# Allegro board 8880F5-0827_txbegin.brd (continued)
## Routing (per net, layer and track width the routed paths; a pad name or vN(x,y) marks a point on that pad's centre or on a via; arc(x,y) is an arc through that point) (continued)
S4_4TX_100DCH007-: length 165.5
  TOP w0.086: SITE4.143 317.68,189.23 317.6,189.31 312.94,189.31 312.3,189.95 306.27,189.95 v1(305.81,189.49)
  L28_SIGNAL w0.071: v1(422.68,144.08) 422.27,144.08 422.2,144.01 422.2,142.94 421.43,142.17 420.49,142.17 419.96,142.7 419.96,154.1 418.01,156.05 379.44,156.05 373.99,161.5 369.48,161.5 356.89,174.09 330.25,174.09 326.47,177.87 326.47,187.36 322.97,190.86 309.62,190.86 308.73,189.97 305.89,189.97 305.81,189.9 v1(305.81,189.49)
S4_AUX_100DCH002+:
  vias: v1(299.22,132.08)
S4_AUX_100DCH002-:
  vias: v1(296.68,132.08)
S4_AUXCH+: length 3.6
  TOP w0.203: SITE4.21 330.23,176.2 v2(330.6,176.57)
S4_AUXCH-: length 3.6
  TOP w0.203: v2(329.46,176.57) 329.83,176.2 SITE4.20
S4_AVDD11_RX: length 8.4
  TOP w0.231: SITE4.31 334.23,168.29 334.67,167.85
  TOP w0.508: v1(336.77,165.75) 334.67,167.85
  vias: v1(336.77,163.71) v1(518.37,278.76) v1(518.37,276.86)
S4_AVDD11_XTAL: length 8.8
  TOP w0.231: SITE4.105 333.03,200.95 332.87,201.11 332.87,201.45
  TOP w0.381: 332.87,201.45 332.87,203.59 333.72,204.45 v1(333.72,204.54)
  vias: v1(333.72,206.58) v1(511.6,262.25) v1(511.6,260.35)
S4_AVDD18_RX: length 7.7
  TOP w0.231: SITE4.25 331.83,170.56 331.28,170.01
  TOP w0.508: 331.28,170.01 331.28,168.9 331.06,168.68 v1(331.06,165.75)
  vias: v1(331.06,163.71) v1(528.11,278.76) v1(528.11,276.86)
S4_DCH041: length 2.2
  TOP w0.231: v1(317.23,183.03) 317.43,182.83 SITE4.159
S4_DCH042: length 3.7
  TOP w0.231: SITE4.160 316.43,182.43 v1(315.83,183.03)
S4_DCH043: length 5.3
  TOP w0.231: v1(314.43,183.03) 315.44,182.03 SITE4.161
S4_DCH044: length 2.2
  TOP w0.231: SITE4.163 317.43,181.23 v1(317.23,181.03)
S4_DCH045: length 5.4
  TOP w0.231: SITE4.164 323.35,180.83 v1(324.35,179.83)
S4_DCH046: length 3.9
  TOP w0.231: SITE4.165 322.35,180.43 v1(322.95,179.83)
S4_DCH047: length 2.3
  TOP w0.231: SITE4.166 321.36,180.03 v1(321.56,179.83)
S4_DCH048:
  vias: v1(309.05,216.97)
S4_DCH049:
  vias: v1(309.05,211.67)
S4_DPS_F_001:
  vias: v1(122.19,249.66) v1(122.19,247.75) v1(297.68,130.81) v1(301.73,167.84)
S4_DPS_F_002: length 10.1
  TOP w0.231: SITE4.3 323.03,170.86 321.72,169.55 320.65,169.55
  TOP w0.508: 320.65,169.55 317.98,166.88 v1(317.98,165.75)
  vias: v1(316.32,162.9) v1(317.98,163.71) v1(511.6,278.76) v1(511.6,276.86)
S4_DPS_F_003: length 63.1
  TOP w0.231: SITE4.145 313.08,188.43 312.83,188.18 ; 345.2,182.93 344.9,183.23 SITE4.63 ; SITE4.107 332.23,200.11 331.69,200.65 331.69,201.16 ; 329.28,168.85 328.63,169.5 SITE4.17 ; 339.73,169.66 338.57,169.66 336.63,171.59 SITE4.37 ; SITE4.71 346.94,186.43 347.84,185.53 ; 314.63,181.63 SITE4.162
  TOP w0.381: 331.69,201.16 331.69,204.28 v1(331.94,204.54)
  TOP w0.508: 312.83,188.18 312.58,187.93 v1(311.44,187.93) ; v1(311.44,183.41) 312.59,183.41 314.37,181.63 314.63,181.63 ; v1(329.28,165.75) 329.28,168.85 ; 347.84,185.53 349.45,183.91 v1(351.22,183.91) ; v1(342.36,165.75) 342.36,167.02 339.73,169.66 ; 345.2,182.93 345.45,182.68 346.8,182.68 348.11,181.37 v1(351.22,181.37)
  vias: v1(309.4,187.93) v1(309.4,183.41) v1(329.28,163.71) v1(331.54,192.61) v1(331.94,206.58) v1(342.36,163.71) v1(353.27,183.91) v1(353.27,181.37) v1(464.57,192.28) v1(501.86,278.76) v1(501.86,276.86)
S4_DPS_F_006: length 9.6
  TOP w0.231: 348.55,186.19 347.92,186.83 SITE4.72
  TOP w0.508: v1(351.22,185.18) 349.56,185.18 348.55,186.19
  vias: v1(339,186.67) v1(353.27,185.18) v1(478.58,262.25) v1(478.58,260.35)
S4_DPS_F_007: length 19
  TOP w0.231: SITE4.78 344.15,189.23 344.37,189.01 ; v1(339.65,204.54) 339.65,204.13 336.23,200.71 SITE4.97
  TOP w0.508: v1(351.22,189.5) 350.8,189.5 350.31,189.01 344.37,189.01
  vias: v1(339.65,206.58) v1(353.27,189.5) v1(528.11,262.25) v1(528.11,260.35)
S4_DPS_F_009: length 8.8
  TOP w0.231: 332.26,201.12 332.26,200.9 332.63,200.53 SITE4.106
  TOP w0.381: 332.26,201.12 332.26,203.82 332.83,204.39 v1(332.83,204.54)
  vias: v1(332.83,206.58) v1(333.61,207.66) v1(495.09,262.25) v1(495.09,260.35)
S4_DPS_F_010: length 8.6
  TOP w0.231: 331.05,201.13 331.05,200.57 330.63,200.15 SITE4.111
  TOP w0.381: 331.05,201.13 v1(331.05,204.54)
  vias: v1(330.34,193.59) v1(331.05,206.58) v1(485.35,262.25) v1(485.35,260.35)
S4_DPS_F_011: length 17.6
  TOP w0.231: SITE4.139 314.87,190.83 312.01,193.69 v1(311.44,193.69) ; 327.64,198.01 327.43,197.79 SITE4.119
  TOP w0.508: v1(327.57,204.54) 327.64,204.47 327.64,198.01
  vias: v1(309.4,193.69) v1(327.57,206.58) v1(518.37,262.25) v1(518.37,260.35)
S4_DPS_F_012: length 8
  TOP w0.231: 312.2,188.83 SITE4.144
  TOP w0.508: v1(311.44,189.2) 311.81,188.83 312.2,188.83
  vias: v1(309.4,189.2) v1(468.84,262.25) v1(468.84,260.35)
S4_DPS_F_013:
  vias: v1(117.33,249.71) v1(117.33,247.8) v1(452.62,188.98) v1(457.25,190.45) v1(474.87,173.79) v1(474.89,161.55) v1(474.99,175.15) v1(478.43,173.74) v1(478.43,161.55) v1(478.53,175.15) v1(480.97,161.55) v1(481.07,175.15) v1(482.1,197.87) v1(483.51,161.55) v1(483.61,175.15) v1(489.86,169.47) v1(490.1,183.24)
S4_ISP00+: length 163.7
  TOP w0.086: SITE4.73 343.98,187.23 344.06,187.31 349.31,187.31 350.29,186.33 353.35,186.33 v1(353.81,185.88)
  L30_SIGNAL w0.071: v1(307.81,134.11) 307.81,135.47 307.88,135.54 312.56,135.54 313.46,136.44 313.46,137.88 312.55,138.79 297.11,138.79 293.94,141.95 293.94,193.09 297.8,196.95 305.85,196.95 307.89,198.98 325.62,198.98 327.67,196.93 339.21,196.93 349.79,186.35 353.73,186.35 353.81,186.28 v1(353.81,185.88)
  BOTTOM w0.119: v1(307.81,134.11) UNK4K43.7
S4_ISP00-: length 163.7
  TOP w0.086: SITE4.74 343.98,187.63 344.06,187.55 349.41,187.55 350.39,186.57 353.35,186.57 v1(353.81,187.02)
  L30_SIGNAL w0.071: v1(307.81,137.16) 307.81,135.81 307.88,135.74 312.48,135.74 313.26,136.52 313.26,137.8 312.47,138.59 297.03,138.59 293.74,141.87 293.74,193.17 297.72,197.14 305.76,197.14 307.8,199.18 325.7,199.18 327.75,197.13 339.29,197.13 349.87,186.55 353.73,186.55 353.81,186.62 v1(353.81,187.02)
  BOTTOM w0.119: v1(307.81,137.16) UNK4K43.2
S4_ISP14+: length 147
  TOP w0.086: v1(331.93,209.9) 331.48,209.45 331.48,207.92 330.15,206.59 330.15,197.86 330.23,197.78 SITE4.112
  L28_SIGNAL w0.071: v1(312.21,131.64) 312.21,135.43 312.07,135.56 298.39,135.56 293.47,140.48 293.47,196.62 303.51,206.65 303.51,212.34 304.92,213.75 329.77,213.75 331.46,212.06 331.46,209.97 331.53,209.9 v1(331.93,209.9)
S4_ISP14-: length 146
  TOP w0.086: SITE4.113 329.83,197.78 329.91,197.86 329.91,206.69 331.24,208.02 331.24,209.45 v1(330.79,209.9)
  L28_SIGNAL w0.071: v1(330.79,209.9) 331.19,209.9 331.26,209.97 331.26,211.98 329.69,213.55 305,213.55 303.71,212.26 303.71,206.57 293.67,196.53 293.67,140.56 298.47,135.76 312.08,135.76 312.21,135.89 v1(312.21,139.64)
S4_ISP_1LOCK:
  vias: v1(309.91,185.39)
S4_M_DPS_F_001: length 45.2
  TOP w0.231: SITE4.104 333.43,203.21 ; 346.49,183.63 SITE4.64 ; SITE4.39 337.43,171.49 338.54,170.37 340.57,170.37 ; SITE4.147 313.7,187.63 313.24,187.18 ; 330.63,170.54 SITE4.22
  TOP w0.381: 333.43,203.21 334.61,204.39 v1(334.61,204.54)
  TOP w0.508: 313.24,187.18 312.72,186.66 v1(311.44,186.66) ; 340.57,170.37 343.63,167.31 v1(343.63,165.75) ; v1(330.17,165.75) 330.17,168.96 330.38,169.17 330.38,170.28 330.63,170.54 ; v1(351.22,182.64) 348.48,182.64 347.49,183.63 346.49,183.63
  vias: v1(309.4,186.66) v1(330.17,163.71) v1(334.61,206.58) v1(343.63,163.71) v1(353.27,182.64) v1(518.37,295.27) v1(518.37,293.37)
S4_PS9G_DCH001: length 3.7
  TOP w0.231: v1(329.63,169.63) 329.03,170.23 SITE4.18
S4_PS9G_DCH002: length 2.2
  TOP w0.231: v1(329.63,171.03) 329.43,171.23 SITE4.19
S4_PS9G_DCH003: length 2.2
  TOP w0.231: SITE4.24 331.43,171.23 v1(331.23,171.03)
S4_PS9G_DCH004: length 2.2
  TOP w0.231: v1(337.63,175.23) 337.83,175.03 SITE4.40
S4_PS9G_DCH005: length 2.2
  TOP w0.231: v1(344.43,175.83) 344.23,176.03 SITE4.45
S4_PS9G_DCH006: length 3.7
  TOP w0.231: v1(345.83,175.83) 345.23,176.43 SITE4.46
S4_PS9G_DCH007: length 5.3
  TOP w0.231: v1(347.22,175.83) 346.22,176.83 SITE4.47
S4_PS9G_DCH009: length 2.2
  TOP w0.231: v1(344.43,177.43) 344.23,177.63 SITE4.49
S4_PS9G_DCH010: length 3.7
  TOP w0.231: SITE4.50 345.23,178.03 v1(345.83,177.43)
S4_PS9G_DCH011: length 5.3
  TOP w0.231: SITE4.51 346.22,178.43 v1(347.22,177.43)
S4_PS9G_DCH014: length 3.7
  TOP w0.231: v1(345.83,179.03) 345.23,179.63 SITE4.54
S4_PS9G_DCH015: length 5.3
  TOP w0.231: v1(347.22,179.03) 346.22,180.03 SITE4.55
S4_PS9G_DCH022: length 5.3
  TOP w0.231: v1(347.22,185.03) 347.05,185.03 346.05,184.03 SITE4.65
S4_PS9G_DCH023: length 2.5
  TOP w0.231: SITE4.66 344.03,184.43 344.43,184.83 v1(344.43,185.03)
S4_PS9G_DCH027: length 3.9
  TOP w0.231: SITE4.70 344.83,186.03 v1(345.83,185.03)
S4_PS9G_DCH028: length 2.3
  TOP w0.231: SITE4.77 340.6,188.83 v1(340.23,188.46)
S4_PS9G_DCH029: length 2.2
  TOP w0.119: SITE4.118 v1(327.83,193.92)
S4_PS9G_DCH030: length 9.2
  TOP w0.231: SITE4.148 317.62,187.23 317.3,186.91 314.16,186.91 312.63,185.39 v1(310.91,185.39)
S4_PS9G_DCH035: length 5.3
  TOP w0.231: SITE4.153 315.44,185.23 v1(314.43,186.23)
S4_PS9G_DCH036: length 2.2
  TOP w0.231: v1(321.43,185.03) 321.23,184.83 SITE4.154
S4_PS9G_DCH037: length 2.2
  TOP w0.231: SITE4.155 317.43,184.43 v1(317.23,184.63)
S4_PS9G_DCH038: length 3.7
  TOP w0.231: v1(315.83,184.63) 316.43,184.03 SITE4.156
S4_PS9G_DCH039: length 5.3
  TOP w0.231: v1(314.43,184.63) 315.44,183.63 SITE4.157
S4_PS9G_DCH040: length 2.2
  TOP w0.231: v1(321.43,183.43) 321.23,183.23 SITE4.158
S4_RLY_001:
  vias: v1(375.22,163.39) v1(415.1,163.64)
S4_RLY_003:
  vias: v1(388.43,163.64) v1(401.89,163.64)
S4_RLY_005:
  vias: v1(375.22,180.15) v1(388.43,180.15)
S4_RLY_007:
  vias: v1(415.61,188.92)
S4_RLY_008:
  vias: v1(375.73,202.38) v1(401.89,180.15)
S4_RLY_016:
  vias: v1(376.23,209.11) v1(392.24,202.38)
S4_RLY_018:
  vias: v1(312.25,216.97)
S4_RLY_021:
  vias: v1(388.43,146.88) v1(402.14,146.88)
S4_RLY_022:
  vias: v1(384.36,131.89) v1(397.57,131.89)
S4_RLY_023:
  vias: v1(410.78,131.89)
S4_RLY_025:
  vias: v1(304.82,146.05) v1(318.32,131.64)
S4_RLY_026:
  vias: v1(346.27,138.37)
S4_RLY_030:
  vias: v1(415.6,146.88)
S4_RLY_043:
  vias: v1(304.61,131.64)
S4_SCAN_DCH008: length 2.2
  TOP w0.231: v1(340.23,177.03) 340.43,177.23 SITE4.48
S4_SCAN_DCH012: length 2.2
  TOP w0.231: v1(340.23,178.63) 340.43,178.83 SITE4.52
S4_SCAN_DCH013: length 2.2
  TOP w0.231: SITE4.53 344.23,179.23 v1(344.43,179.03)
S4_SCAN_DCH016: length 2.2
  TOP w0.231: SITE4.56 340.43,180.43 v1(340.23,180.23)
S4_SCAN_DCH017: length 2.2
  TOP w0.231: v1(344.43,180.63) 344.23,180.83 SITE4.57
S4_SCAN_DCH018: length 3.7
  TOP w0.231: SITE4.58 345.23,181.23 v1(345.83,180.63)
S4_SCAN_DCH019: length 5.3
  TOP w0.231: SITE4.59 346.22,181.63 v1(347.22,180.63)
S4_SCAN_DCH020: length 2.2
  TOP w0.231: v1(340.23,181.83) 340.43,182.03 SITE4.60
S4_SCAN_DCH021: length 2.2
  TOP w0.231: SITE4.61 344.23,182.43 v1(344.43,182.23)
S4_SCAN_DCH024: length 2.2
  TOP w0.231: v1(340.23,184.63) 340.43,184.83 SITE4.67
S4_SCAN_DCH025: length 3.7
  TOP w0.231: v1(338.83,184.63) 339.43,185.23 SITE4.68
S4_SCAN_DCH026: length 5.3
  TOP w0.231: v1(337.44,184.63) 338.44,185.63 SITE4.69
S4_SCAN_DCH031: length 3.7
  TOP w0.231: v1(322.83,187.43) 322.23,186.83 SITE4.149
S4_SCAN_DCH032: length 5.3
  TOP w0.231: SITE4.150 323.22,186.43 v1(324.22,187.43)
S4_SCAN_DCH033: length 2.2
  TOP w0.231: SITE4.151 317.43,186.03 v1(317.23,186.23)
S4_SCAN_DCH034: length 3.7
  TOP w0.231: v1(315.83,186.23) 316.43,185.63 SITE4.152
S4_SPI_1_SCK:
  vias: v1(480.07,175.15)
S4_SPI_1_SDO:
  vias: v1(455.94,166.12)
S4_SPI_2_CSN:
  vias: v1(475.87,173.79)
S4_SPI_2_SCK:
  vias: v1(479.97,161.55)
S4_SPI_2_SDO:
  vias: v1(451.87,166.12)
S4_SPI_11_SDO:
  vias: v1(456.94,166.12) v1(482.61,175.15)
S4_SPI_22_SDI:
  vias: v1(477.43,173.74)
S4_SPI_22_SDO:
  vias: v1(452.87,166.12) v1(482.51,161.55)
S4_SPI_CSN: length 2.2
  TOP w0.231: v1(339.23,171.03) 339.03,171.23 SITE4.43
S4_SPI_SCK: length 2.2
  TOP w0.231: SITE4.42 338.63,175.03 v1(338.83,175.23)
S4_SPI_SDI: length 3.7
  TOP w0.231: v1(338.83,176.63) 339.43,176.03 SITE4.44
S4_SPI_SDO: length 3.7
  TOP w0.231: SITE4.41 338.23,176.03 v1(337.63,176.63)
S4_XTAL_IN: length 2.5
  TOP w0.119: v1(331.63,198.51) 331.43,198.31 SITE4.109
  vias: v1(306.85,211.67)
S4_XTAL_OUT: length 3.7
  TOP w0.231: SITE4.110 331.03,199.03 v1(331.63,199.63)
  vias: v1(306.85,216.97)
UDBGND:
  vias: v1(13.3,262.13) v1(13.55,259.69) v1(23.86,130.71) v1(24.11,128.27) v1(36.83,129.86) v1(117.69,130.81) v1(118.49,128.27) v1(128.57,149.86) v1(128.57,146.05) v1(128.57,138.43) v1(128.57,134.62) v1(130.51,142.24) v1(224.37,298.45) v1(225.17,295.91) v1(452.68,137.92) v1(452.68,134.11) v1(452.68,130.3) v1(454.61,145.54) v1(454.61,141.73) v1(473.29,130.81) v1(474.09,128.27) v1(484.87,130.71) v1(485.12,128.27) v1(512.11,238.76) v1(512.11,234.95) v1(512.11,231.14) v1(512.11,227.33) v1(548.37,300.89) v1(548.62,298.45) v1(557.36,300.99) v1(558.16,298.45)
UT1_UP5V:
  vias: v1(11.05,259.69) v1(11.6,262.13) v1(21.61,128.27) v1(22.16,130.71) v1(36.83,135.89) v1(36.83,133.85) v1(115.19,128.27) v1(115.99,130.81) v1(175.7,264.1) v1(175.7,250.38) v1(175.7,236.67) v1(175.7,222.95) v1(175.7,209.49) v1(175.7,195.52) v1(175.7,182.06) v1(175.7,168.6) v1(175.7,154.88) v1(175.7,141.67) v1(192.47,264.1) v1(192.47,250.38) v1(192.47,236.67) v1(192.47,222.95) v1(192.47,209.49) v1(192.47,195.52) v1(192.47,182.06) v1(192.47,168.6) v1(192.47,154.88) v1(208.98,264.1) v1(209.23,250.38) v1(209.23,236.67) v1(209.23,222.95) v1(209.23,209.49) v1(209.23,195.52) v1(209.49,182.06) v1(209.49,168.6) v1(209.49,155.13) v1(209.49,155.13) v1(221.87,295.91) v1(222.67,298.45) v1(232.25,271.67) v1(232.25,211.67) v1(244.8,288.61) v1(250.5,296.86) v1(256.73,132.14) v1(263.71,296.86) v1(269.69,135.19) v1(273.24,272.1) v1(277.17,296.86) v1(282.9,147.38) v1(290.64,296.86) v1(293.31,272.1) v1(303.84,296.86) v1(304.61,139.64) v1(304.82,154.05) v1(312.25,271.67) v1(312.25,211.67) v1(317.05,296.86) v1(318.32,139.64) v1(330.51,296.86) v1(343.98,296.86) v1(354.27,138.37) v1(369.38,265.11) v1(369.38,249.11) v1(369.38,232.6) v1(369.63,297.12) v1(369.63,281.11) v1(375.22,188.15) v1(375.22,171.39) v1(376.23,217.11) v1(383.09,297.12) v1(383.09,281.11) v1(383.09,265.11) v1(383.09,249.11) v1(383.09,232.85) v1(383.73,202.38) v1(384.36,139.89) v1(388.43,188.15) v1(388.43,171.64) v1(388.43,154.88) v1(389.7,217.36) v1(396.55,297.12) v1(396.55,281.11) v1(396.55,265.37) v1(396.55,249.11) v1(396.55,233.11) v1(397.57,139.89) v1(400.24,202.38) v1(401.89,188.15) v1(401.89,171.64) v1(402.14,154.88) v1(403.41,217.61) v1(410.27,265.37) v1(410.52,297.12) v1(410.52,281.37) v1(410.52,249.11) v1(410.78,139.89) v1(415.1,171.64) v1(415.6,154.88) v1(423.61,188.92) v1(470.79,128.27) v1(471.59,130.81) v1(482.62,128.27) v1(483.17,130.71) v1(546.12,298.45) v1(546.67,300.89) v1(554.86,298.45) v1(555.66,300.99)
N16868442:
  vias: v1(36.83,132.85) v1(36.83,131.76)
N24574244:
  vias: v1(88.53,207.41)
N24574268:
  vias: v1(88.77,221.18)
N24574272:
  vias: v1(93.83,221.18)
N24574311:
  vias: v1(102.1,215.5)
N24574376:
  vias: v1(102.2,229.1)
N24574578:
  vias: v1(93.83,207.46)
N24787993:
  vias: v1(185.21,289.56)
N24789529:
  vias: v1(118.32,288.29)
N24789779:
  vias: v1(168.7,289.56)
N25330426:
  vias: v1(168.7,273.05)
N25334489:
  vias: v1(185.21,273.05)
N25337760:
  vias: v1(201.21,273.05)
N25339188:
  vias: v1(201.21,289.56)
N25462044:
  vias: v1(175.47,273.05)
N25462912:
  vias: v1(158.96,273.05)
N25463486:
  vias: v1(191.48,289.56)
N25464528:
  vias: v1(158.96,289.56)
N25465136:
  vias: v1(175.47,289.56)
N26125600: length 3
  BOTTOM w0.119: R55.2 211.54,245.46 211.07,244.98 K25.3
N26125602: length 3
  BOTTOM w0.119: K25.4 211.07,242.78 211.54,242.31 R56.1
N26125604: length 3
  BOTTOM w0.119: R57.2 198.92,245.46 199.4,244.98 K25.6
N26125606: length 3
  BOTTOM w0.119: K25.5 199.4,242.78 198.92,242.31 R58.1
N26125622: length 3
  BOTTOM w0.119: K26.3 177.54,231.27 178.01,231.74 R59.2
N26125624: length 3
  BOTTOM w0.119: K26.4 177.54,229.07 178.01,228.6 R60.1
N26125626: length 3
  BOTTOM w0.119: R61.2 165.4,231.74 165.87,231.27 K26.6
N26125628: length 3
  BOTTOM w0.119: K26.5 165.87,229.07 165.4,228.6 R62.1
N26125644: length 3
  BOTTOM w0.119: K27.5 182.63,242.78 182.16,242.31 R66.1
N26125646: length 3
  BOTTOM w0.119: R65.2 182.16,245.46 182.63,244.98 K27.6
N26125685: length 3
  BOTTOM w0.119: R45.2 198.92,231.74 199.4,231.27 K22.6
N26125687: length 3
  BOTTOM w0.119: K22.5 199.4,229.07 198.92,228.6 R46.1
N26125689: length 3
  BOTTOM w0.119: K23.3 177.54,217.55 178.01,218.02 R47.2
N26125691: length 3
  BOTTOM w0.119: R48.1 178.01,214.88 177.54,215.35 K23.4
N26125693: length 3
  BOTTOM w0.119: K23.6 165.87,217.55 165.4,218.02 R49.2
N26125695: length 3
  BOTTOM w0.119: K23.5 165.87,215.35 165.4,214.88 R50.1
N26125711: length 3
  BOTTOM w0.119: R51.2 194.78,231.74 194.3,231.27 K24.3
N26125713: length 3
  BOTTOM w0.119: K24.4 194.3,229.07 194.78,228.6 R52.1
N26125715: length 3
  BOTTOM w0.119: K24.6 182.63,231.27 182.16,231.74 R53.2
N26125717: length 3
  BOTTOM w0.119: K24.5 182.63,229.07 182.16,228.6 R54.1
N26125746: length 3
  BOTTOM w0.119: R102.2 211.54,231.74 211.07,231.27 K22.3
N26125748: length 3
  BOTTOM w0.119: R103.1 211.54,228.6 211.07,229.07 K22.4
N26125750: length 3
  BOTTOM w0.119: R104.2 194.78,245.46 194.3,244.98 K27.3
N26125752: length 3
  BOTTOM w0.119: K27.4 194.3,242.78 194.78,242.31 R105.1
N26138300:
  vias: v1(113.29,230.12)
N26138322:
  vias: v1(110.24,230.12)
N26323523: length 3
  BOTTOM w0.119: K17.3 194.3,258.7 194.78,259.17 R71.2
N26323525: length 3
  BOTTOM w0.119: K17.4 194.3,256.5 194.78,256.03 R72.1
N26323527: length 3
  BOTTOM w0.119: K17.5 182.63,256.5 182.16,256.03 R74.1
N26323529: length 3
  BOTTOM w0.119: R73.2 182.16,259.17 182.63,258.7 K17.6
N26323531: length 3
  BOTTOM w0.119: R75.2 211.29,259.17 210.81,258.7 K21.3
N26323533: length 3
  BOTTOM w0.119: K21.4 210.81,256.5 211.29,256.03 R76.1
N26323535: length 3
  BOTTOM w0.119: R78.1 198.67,256.03 199.14,256.5 K21.5
N26323537: length 3
  BOTTOM w0.119: R77.2 198.67,259.17 199.14,258.7 K21.6
N26323539: length 3
  BOTTOM w0.119: K29.3 177.54,258.7 178.01,259.17 R79.2
N26323541: length 3
  BOTTOM w0.119: R80.1 178.01,256.03 177.54,256.5 K29.4
N26323543: length 3
  BOTTOM w0.119: R43.2 165.4,259.17 165.87,258.7 K29.6
N26323545: length 3
  BOTTOM w0.119: R44.1 165.4,256.03 165.87,256.5 K29.5
N26323547: length 3
  BOTTOM w0.119: K30.3 177.54,244.98 178.01,245.46 R63.2
N26323549: length 3
  BOTTOM w0.119: K30.4 177.54,242.78 178.01,242.31 R64.1
N26323551: length 3
  BOTTOM w0.119: K30.5 165.87,242.78 165.4,242.31 R101.1
N26323553: length 3
  BOTTOM w0.119: K30.6 165.87,244.98 165.4,245.46 R100.2
N26325241: length 3
  BOTTOM w0.119: R67.2 239.87,286.3 239.4,286.77 K16.3
N26325243: length 3
  BOTTOM w0.119: R68.1 236.72,286.3 237.2,286.77 K16.4
N26325245: length 3
  BOTTOM w0.119: K16.5 237.2,298.44 236.72,298.92 R70.1
N26325247: length 3
  BOTTOM w0.119: K16.6 239.4,298.44 239.87,298.92 R69.2
N26326910: length 3
  BOTTOM w0.119: R30.1 298.71,286.55 298.24,287.03 K6.5
N26326941: length 3
  BOTTOM w0.119: K6.3 296.04,298.7 295.56,299.17 R27.2
N26326943: length 3
  BOTTOM w0.119: R28.1 298.71,299.17 298.24,298.7 K6.4
N26326945: length 3
  BOTTOM w0.119: R29.2 295.56,286.55 296.04,287.03 K6.6
N26326947: length 3
  BOTTOM w0.119: K7.5 284.77,287.03 285.25,286.55 R34.1
N26326959: length 3
  BOTTOM w0.119: K7.3 282.57,298.7 282.1,299.17 R31.2
N26326961: length 3
  BOTTOM w0.119: R32.1 285.25,299.17 284.77,298.7 K7.4
N26326963: length 3
  BOTTOM w0.119: K7.6 282.57,287.03 282.1,286.55 R33.2
N26327095: length 3
  BOTTOM w0.119: K11.3 255.9,298.7 255.43,299.17 R39.2
N26327097: length 3
  BOTTOM w0.119: K11.4 258.1,298.7 258.58,299.17 R40.1
N26327099: length 3
  BOTTOM w0.119: R38.1 271.78,286.55 271.31,287.03 K8.5
N26327103: length 3
  BOTTOM w0.119: K8.6 269.11,287.03 268.64,286.55 R37.2
N26327105: length 3
  BOTTOM w0.119: R41.2 255.43,286.55 255.9,287.03 K11.6
N26327107: length 3
  BOTTOM w0.119: R42.1 258.58,286.55 258.1,287.03 K11.5
N26328546: length 3
  BOTTOM w0.119: R26.1 311.92,286.55 311.44,287.03 K5.5
N26328550: length 3
  BOTTOM w0.119: R23.2 308.77,299.17 309.24,298.7 K5.3
N26328552: length 3
  BOTTOM w0.119: K5.4 311.44,298.7 311.92,299.17 R24.1
N26328554: length 3
  BOTTOM w0.119: K5.6 309.24,287.03 308.77,286.55 R25.2
N26330264: length 3
  BOTTOM w0.119: K3.5 324.65,287.03 325.12,286.55 R18.1
N26330266: length 3
  BOTTOM w0.119: K3.6 322.45,287.03 321.98,286.55 R17.2
N26330268: length 3
  BOTTOM w0.119: K3.4 324.65,298.7 325.12,299.17 R16.1
N26330270: length 3
  BOTTOM w0.119: K3.3 322.45,298.7 321.98,299.17 R15.2
N26330276: length 3
  BOTTOM w0.119: K1.5 351.58,287.03 352.05,286.55 R10.1
N26330278: length 3
  BOTTOM w0.119: R9.2 348.9,286.55 349.38,287.03 K1.6
N26330280: length 3
  BOTTOM w0.119: R8.1 352.05,299.17 351.58,298.7 K1.4
N26330282: length 3
  BOTTOM w0.119: R7.2 348.9,299.17 349.38,298.7 K1.3
N26330286: length 3
  BOTTOM w0.119: K2.3 335.91,298.7 335.44,299.17 R11.2
N26330288: length 3
  BOTTOM w0.119: R12.1 338.59,299.17 338.11,298.7 K2.4
N26330290: length 3
  BOTTOM w0.119: R22.1 285.24,282.41 285.71,281.93 K4.5
N26330294: length 3
  BOTTOM w0.119: K4.3 287.91,270.26 288.38,269.79 R19.2
N26330296: length 3
  BOTTOM w0.119: K4.4 285.71,270.26 285.24,269.79 R20.1
N26330298: length 3
  BOTTOM w0.119: K4.6 287.91,281.93 288.38,282.41 R21.2
N26330300: length 3
  BOTTOM w0.119: K2.5 338.11,287.03 338.59,286.55 R14.1
N26330302: length 3
  BOTTOM w0.119: R13.2 335.44,286.55 335.91,287.03 K2.6
N26336814:
  vias: v1(123.12,241.1)
N26336816:
  vias: v1(127.7,241.1)
N26336828:
  vias: v1(222.38,273.82) v1(222.38,272.66) v1(224.65,271.67)
N26336832:
  vias: v1(222.38,275.98) v1(222.38,274.82) v1(224.65,276.97)
N26336834:
  vias: v1(221.21,276.98) v1(222.38,276.98)
N26336836:
  vias: v1(221.21,271.66) v1(222.38,271.66)
N26336892:
  vias: v1(127.75,225.81)
N26336894:
  vias: v1(127.75,233.43)
N26337539:
  vias: v1(96.27,241.05)
N26337547:
  vias: v1(96.27,233.43)
N26486525: length 3
  BOTTOM w0.119: UNK2R55.2 415.45,251.42 415.92,250.95 UNK2K25.3
N26486526: length 3
  BOTTOM w0.119: UNK2R56.1 418.6,251.42 418.12,250.95 UNK2K25.4
N26486527: length 3
  BOTTOM w0.119: UNK2K25.6 415.92,239.27 415.45,238.8 UNK2R57.2
N26486528: length 3
  BOTTOM w0.119: UNK2R58.1 418.6,238.8 418.12,239.27 UNK2K25.5
N26486530: length 3
  BOTTOM w0.119: UNK2K26.3 374.78,234.44 374.3,234.91 UNK2R59.2
N26486531: length 3
  BOTTOM w0.119: UNK2K26.4 376.98,234.44 377.45,234.91 UNK2R60.1
N26486532: length 3
  BOTTOM w0.119: UNK2K26.6 374.78,222.76 374.3,222.29 UNK2R61.2
N26486533: length 3
  BOTTOM w0.119: UNK2K26.5 376.98,222.76 377.45,222.29 UNK2R62.1
N26486535: length 3
  BOTTOM w0.119: UNK2R66.1 391.16,222.55 390.69,223.02 UNK2K27.5
N26486536: length 3
  BOTTOM w0.119: UNK2R65.2 388.02,222.55 388.49,223.02 UNK2K27.6
N26486543: length 3
  BOTTOM w0.119: UNK2K22.6 401.95,223.27 401.48,222.8 UNK2R45.2
N26486544: length 3
  BOTTOM w0.119: UNK2R46.1 404.63,222.8 404.15,223.27 UNK2K22.5
N26486545: length 3
  BOTTOM w0.119: UNK2K23.3 408.81,219.45 408.34,219.92 UNK2R47.2
N26486546: length 3
  BOTTOM w0.119: UNK2R48.1 411.48,219.92 411.01,219.45 UNK2K23.4
N26486547: length 3
  BOTTOM w0.119: UNK2R49.2 408.34,207.31 408.81,207.78 UNK2K23.6
N26486548: length 3
  BOTTOM w0.119: UNK2R50.1 411.48,207.31 411.01,207.78 UNK2K23.5
N26486550: length 3
  BOTTOM w0.119: UNK2R51.2 394.62,219.67 395.1,219.2 UNK2K24.3
N26486551: length 3
  BOTTOM w0.119: UNK2K24.4 397.3,219.2 397.77,219.67 UNK2R52.1
N26486552: length 3
  BOTTOM w0.119: UNK2R53.2 394.62,207.05 395.1,207.52 UNK2K24.6
N26486553: length 3
  BOTTOM w0.119: UNK2R54.1 397.77,207.05 397.3,207.52 UNK2K24.5
N26486568: length 3
  BOTTOM w0.119: UNK2K22.3 401.95,234.94 401.48,235.42 UNK2R102.2
N26486569: length 3
  BOTTOM w0.119: UNK2K22.4 404.15,234.94 404.63,235.42 UNK2R103.1
N26486570: length 3
  BOTTOM w0.119: UNK2R104.2 388.02,235.16 388.49,234.69 UNK2K27.3
N26486571: length 3
  BOTTOM w0.119: UNK2R105.1 391.16,235.16 390.69,234.69 UNK2K27.4
N26486686:
  vias: v1(465.57,235.71)
N26486691:
  vias: v1(468.62,235.71)
N26486726: length 3
  BOTTOM w0.119: UNK2R71.2 401.48,299.42 401.95,298.95 UNK2K17.3
N26486727: length 3
  BOTTOM w0.119: UNK2R72.1 404.63,299.42 404.15,298.95 UNK2K17.4
N26486728: length 3
  BOTTOM w0.119: UNK2R74.1 404.63,286.81 404.15,287.28 UNK2K17.5
N26486729: length 3
  BOTTOM w0.119: UNK2K17.6 401.95,287.28 401.48,286.81 UNK2R73.2
N26486730: length 3
  BOTTOM w0.119: UNK2K21.3 375.03,298.95 374.56,299.42 UNK2R75.2
N26486731: length 3
  BOTTOM w0.119: UNK2K21.4 377.23,298.95 377.7,299.42 UNK2R76.1
N26486732: length 3
  BOTTOM w0.119: UNK2R78.1 377.7,286.81 377.23,287.28 UNK2K21.5
N26486733: length 3
  BOTTOM w0.119: UNK2K21.6 375.03,287.28 374.56,286.81 UNK2R77.2
N26486734: length 3
  BOTTOM w0.119: UNK2R79.2 388.02,251.42 388.49,250.95 UNK2K29.3
N26486735: length 3
  BOTTOM w0.119: UNK2K29.4 390.69,250.95 391.16,251.42 UNK2R80.1
N26486736: length 3
  BOTTOM w0.119: UNK2K29.6 388.49,239.27 388.02,238.8 UNK2R43.2
N26486737: length 3
  BOTTOM w0.119: UNK2K29.5 390.69,239.27 391.16,238.8 UNK2R44.1
N26486738: length 3
  BOTTOM w0.119: UNK2R63.2 401.48,251.42 401.95,250.95 UNK2K30.3
N26486739: length 3
  BOTTOM w0.119: UNK2K30.4 404.15,250.95 404.63,251.42 UNK2R64.1
N26486740: length 3
  BOTTOM w0.119: UNK2R101.1 404.63,238.8 404.15,239.27 UNK2K30.5
N26486741: length 3
  BOTTOM w0.119: UNK2R100.2 401.48,238.8 401.95,239.27 UNK2K30.6
N26486822: length 3
  BOTTOM w0.119: UNK2R67.2 374.56,283.42 375.03,282.95 UNK2K16.3
N26486823: length 3
  BOTTOM w0.119: UNK2K16.4 377.23,282.95 377.7,283.42 UNK2R68.1
N26486824: length 3
  BOTTOM w0.119: UNK2K16.5 377.23,271.28 377.7,270.81 UNK2R70.1
N26486825: length 3
  BOTTOM w0.119: UNK2K16.6 375.03,271.28 374.56,270.81 UNK2R69.2
N26486847: length 3
  BOTTOM w0.119: UNK2K6.5 418.12,271.53 418.6,271.06 UNK2R30.1
N26486849: length 3
  BOTTOM w0.119: UNK2K6.3 415.92,283.2 415.45,283.68 UNK2R27.2
N26486850: length 3
  BOTTOM w0.119: UNK2R28.1 418.6,283.68 418.12,283.2 UNK2K6.4
N26486851: length 3
  BOTTOM w0.119: UNK2K6.6 415.92,271.53 415.45,271.06 UNK2R29.2
N26486852: length 3
  BOTTOM w0.119: UNK2R34.1 404.63,270.81 404.15,271.28 UNK2K7.5
N26486854: length 3
  BOTTOM w0.119: UNK2R31.2 401.48,283.42 401.95,282.95 UNK2K7.3
N26486855: length 3
  BOTTOM w0.119: UNK2K7.4 404.15,282.95 404.63,283.42 UNK2R32.1
N26486856: length 3
  BOTTOM w0.119: UNK2R33.2 401.48,270.81 401.95,271.28 UNK2K7.6
N26486898: length 3
  BOTTOM w0.119: UNK2R39.2 388.02,283.42 388.49,282.95 UNK2K11.3
N26486899: length 3
  BOTTOM w0.119: UNK2K11.4 390.69,282.95 391.16,283.42 UNK2R40.1
N26486900: length 3
  BOTTOM w0.119: UNK2K8.5 390.69,287.28 391.16,286.81 UNK2R38.1
N26486902: length 3
  BOTTOM w0.119: UNK2R37.2 388.02,286.81 388.49,287.28 UNK2K8.6
N26486903: length 3
  BOTTOM w0.119: UNK2K11.6 388.49,271.28 388.02,270.81 UNK2R41.2
N26486904: length 3
  BOTTOM w0.119: UNK2R42.1 391.16,270.81 390.69,271.28 UNK2K11.5
N26486946: length 3
  BOTTOM w0.119: UNK2K5.5 417.87,255.53 418.34,255.06 UNK2R26.1
N26486948: length 3
  BOTTOM w0.119: UNK2K5.3 415.67,267.2 415.2,267.67 UNK2R23.2
N26486949: length 3
  BOTTOM w0.119: UNK2R24.1 418.34,267.67 417.87,267.2 UNK2K5.4
N26486950: length 3
  BOTTOM w0.119: UNK2K5.6 415.67,255.53 415.2,255.06 UNK2R25.2
N26486971: length 3
  BOTTOM w0.119: UNK2R18.1 404.63,255.06 404.15,255.53 UNK2K3.5
N26486972: length 3
  BOTTOM w0.119: UNK2R17.2 401.48,255.06 401.95,255.53 UNK2K3.6
N26486973: length 3
  BOTTOM w0.119: UNK2R16.1 404.63,267.67 404.15,267.2 UNK2K3.4
N26486974: length 3
  BOTTOM w0.119: UNK2R15.2 401.48,267.67 401.95,267.2 UNK2K3.3
N26486977: length 3
  BOTTOM w0.119: UNK2K1.5 418.12,287.28 418.6,286.81 UNK2R10.1
N26486978: length 3
  BOTTOM w0.119: UNK2K1.6 415.92,287.28 415.45,286.81 UNK2R9.2
N26486979: length 3
  BOTTOM w0.119: UNK2R8.1 418.6,299.42 418.12,298.95 UNK2K1.4
N26486980: length 3
  BOTTOM w0.119: UNK2R7.2 415.45,299.42 415.92,298.95 UNK2K1.3
N26486982: length 3
  BOTTOM w0.119: UNK2R11.2 374.3,251.42 374.78,250.95 UNK2K2.3
N26486983: length 3
  BOTTOM w0.119: UNK2K2.4 376.98,250.95 377.45,251.42 UNK2R12.1
N26486984: length 3
  BOTTOM w0.119: UNK2K4.5 376.98,255.28 377.45,254.8 UNK2R22.1
N26486986: length 3
  BOTTOM w0.119: UNK2K4.3 374.78,266.95 374.3,267.42 UNK2R19.2
N26486987: length 3
  BOTTOM w0.119: UNK2R20.1 377.45,267.42 376.98,266.95 UNK2K4.4
N26486988: length 3
  BOTTOM w0.119: UNK2K4.6 374.78,255.28 374.3,254.8 UNK2R21.2
N26486989: length 3
  BOTTOM w0.119: UNK2K2.5 376.98,239.27 377.45,238.8 UNK2R14.1
N26486990: length 3
  BOTTOM w0.119: UNK2K2.6 374.78,239.27 374.3,238.8 UNK2R13.2
N26487182:
  vias: v1(456.25,233.88)
N26487183:
  vias: v1(451.68,233.88)
N26487190:
  vias: v1(302.38,273.82) v1(302.38,272.66) v1(304.65,271.67)
N26487192:
  vias: v1(302.38,275.98) v1(302.38,274.82) v1(304.65,276.97)
N26487193:
  vias: v1(301.21,276.98) v1(302.38,276.98)
N26487194:
  vias: v1(301.21,271.66) v1(302.38,271.66)
N26487223:
  vias: v1(451.62,232.41)
N26487224:
  vias: v1(451.62,224.79)
N26487285:
  vias: v1(483.1,233.68)
N26487289:
  vias: v1(483.1,241.3)
N26491412:
  vias: v1(491.1,226.67)
N26491416:
  vias: v1(490.86,212.91)
N26491418:
  vias: v1(485.8,212.91)
N26491425:
  vias: v1(477.53,218.59)
N26491459:
  vias: v1(477.43,204.98)
N26491497:
  vias: v1(485.8,226.62)
N26492255:
  vias: v1(462.07,290.83)
N26492261:
  vias: v1(485.35,290.83)
N26492266:
  vias: v1(462.07,274.32)
N26492386:
  vias: v1(478.58,274.32)
N26492392:
  vias: v1(495.09,274.32)
N26492464:
  vias: v1(511.6,290.83)
N26492470:
  vias: v1(478.58,290.83)
N26492603:
  vias: v1(485.35,274.32)
N26492609:
  vias: v1(468.84,274.32)
N26492613:
  vias: v1(468.84,290.83)
N26492615:
  vias: v1(452.33,274.32)
N26492621:
  vias: v1(452.33,290.83)
N26495382: length 3
  BOTTOM w0.119: UNK3R55.2 178.01,149.95 177.54,149.48 UNK3K25.3
N26495383: length 3
  BOTTOM w0.119: UNK3K25.4 177.54,147.28 178.01,146.81 UNK3R56.1
N26495384: length 3
  BOTTOM w0.119: UNK3K25.6 165.87,149.48 165.4,149.95 UNK3R57.2
N26495385: length 3
  BOTTOM w0.119: UNK3R58.1 165.4,146.81 165.87,147.28 UNK3K25.5
N26495387: length 3
  BOTTOM w0.119: UNK3K26.3 194.3,163.2 194.78,163.67 UNK3R59.2
N26495388: length 3
  BOTTOM w0.119: UNK3R60.1 194.78,160.52 194.3,161 UNK3K26.4
N26495389: length 3
  BOTTOM w0.119: UNK3K26.6 182.63,163.2 182.16,163.67 UNK3R61.2
N26495390: length 3
  BOTTOM w0.119: UNK3R62.1 182.16,160.52 182.63,161 UNK3K26.5
N26495392: length 3
  BOTTOM w0.119: UNK3K27.5 199.65,161 199.18,160.52 UNK3R66.1
N26495393: length 3
  BOTTOM w0.119: UNK3K27.6 199.65,163.2 199.18,163.67 UNK3R65.2
N26495400: length 3
  BOTTOM w0.119: UNK3R45.2 165.4,136.74 165.87,136.27 UNK3K22.6
N26495401: length 3
  BOTTOM w0.119: UNK3K22.5 165.87,134.07 165.4,133.6 UNK3R46.1
N26495402: length 3
  BOTTOM w0.119: UNK3R47.2 211.79,150.21 211.32,149.73 UNK3K23.3
N26495403: length 3
  BOTTOM w0.119: UNK3K23.4 211.32,147.53 211.79,147.06 UNK3R48.1
N26495404: length 3
  BOTTOM w0.119: UNK3K23.6 199.65,149.73 199.18,150.21 UNK3R49.2
N26495405: length 3
  BOTTOM w0.119: UNK3K23.5 199.65,147.53 199.18,147.06 UNK3R50.1
N26495407: length 3
  BOTTOM w0.119: UNK3K24.3 194.3,149.48 194.78,149.95 UNK3R51.2
N26495408: length 3
  BOTTOM w0.119: UNK3K24.4 194.3,147.28 194.78,146.81 UNK3R52.1
N26495409: length 3
  BOTTOM w0.119: UNK3R53.2 182.16,149.95 182.63,149.48 UNK3K24.6
N26495410: length 3
  BOTTOM w0.119: UNK3R54.1 182.16,146.81 182.63,147.28 UNK3K24.5
N26495425: length 3
  BOTTOM w0.119: UNK3R102.2 178.01,136.74 177.54,136.27 UNK3K22.3
N26495426: length 3
  BOTTOM w0.119: UNK3R103.1 178.01,133.6 177.54,134.07 UNK3K22.4
N26495427: length 3
  BOTTOM w0.119: UNK3R104.2 211.79,163.67 211.32,163.2 UNK3K27.3
N26495428: length 3
  BOTTOM w0.119: UNK3R105.1 211.79,160.52 211.32,161 UNK3K27.4
N26495543:
  vias: v1(113.55,186.44)
N26495548:
  vias: v1(110.5,186.44)
N26495583: length 3
  BOTTOM w0.119: UNK3K17.3 177.54,190.12 178.01,190.59 UNK3R71.2
N26495584: length 3
  BOTTOM w0.119: UNK3K17.4 177.54,187.92 178.01,187.45 UNK3R72.1
N26495585: length 3
  BOTTOM w0.119: UNK3R74.1 165.4,187.45 165.87,187.92 UNK3K17.5
N26495586: length 3
  BOTTOM w0.119: UNK3K17.6 165.87,190.12 165.4,190.59 UNK3R73.2
N26495587: length 3
  BOTTOM w0.119: UNK3R75.2 211.54,190.59 211.07,190.12 UNK3K21.3
N26495588: length 3
  BOTTOM w0.119: UNK3K21.4 211.07,187.92 211.54,187.45 UNK3R76.1
N26495589: length 3
  BOTTOM w0.119: UNK3K21.5 199.4,187.92 198.92,187.45 UNK3R78.1
N26495590: length 3
  BOTTOM w0.119: UNK3R77.2 198.92,190.59 199.4,190.12 UNK3K21.6
N26495591: length 3
  BOTTOM w0.119: UNK3R79.2 211.79,177.13 211.32,176.66 UNK3K29.3
N26495592: length 3
  BOTTOM w0.119: UNK3K29.4 211.32,174.46 211.79,173.99 UNK3R80.1
N26495593: length 3
  BOTTOM w0.119: UNK3K29.6 199.65,176.66 199.18,177.13 UNK3R43.2
N26495594: length 3
  BOTTOM w0.119: UNK3R44.1 199.18,173.99 199.65,174.46 UNK3K29.5
N26495595: length 3
  BOTTOM w0.119: UNK3K30.3 177.54,163.2 178.01,163.67 UNK3R63.2
N26495596: length 3
  BOTTOM w0.119: UNK3R64.1 178.01,160.52 177.54,161 UNK3K30.4
N26495597: length 3
  BOTTOM w0.119: UNK3K30.5 165.87,161 165.4,160.52 UNK3R101.1
N26495598: length 3
  BOTTOM w0.119: UNK3R100.2 165.4,163.67 165.87,163.2 UNK3K30.6
N26495679: length 3
  BOTTOM w0.119: UNK3R67.2 211.54,204.56 211.07,204.09 UNK3K16.3
N26495680: length 3
  BOTTOM w0.119: UNK3K16.4 211.07,201.89 211.54,201.42 UNK3R68.1
N26495681: length 3
  BOTTOM w0.119: UNK3K16.5 199.4,201.89 198.92,201.42 UNK3R70.1
N26495682: length 3
  BOTTOM w0.119: UNK3K16.6 199.4,204.09 198.92,204.56 UNK3R69.2
N26495704: length 3
  BOTTOM w0.119: UNK3K6.5 182.63,215.35 182.16,214.88 UNK3R30.1
N26495706: length 3
  BOTTOM w0.119: UNK3R27.2 194.78,218.02 194.3,217.55 UNK3K6.3
N26495707: length 3
  BOTTOM w0.119: UNK3R28.1 194.78,214.88 194.3,215.35 UNK3K6.4
N26495708: length 3
  BOTTOM w0.119: UNK3K6.6 182.63,217.55 182.16,218.02 UNK3R29.2
N26495709: length 3
  BOTTOM w0.119: UNK3R34.1 182.16,201.42 182.63,201.89 UNK3K7.5
N26495711: length 3
  BOTTOM w0.119: UNK3R31.2 194.78,204.56 194.3,204.09 UNK3K7.3
N26495712: length 3
  BOTTOM w0.119: UNK3K7.4 194.3,201.89 194.78,201.42 UNK3R32.1
N26495713: length 3
  BOTTOM w0.119: UNK3R33.2 182.16,204.56 182.63,204.09 UNK3K7.6
N26495755: length 3
  BOTTOM w0.119: UNK3K11.3 177.54,204.09 178.01,204.56 UNK3R39.2
N26495756: length 3
  BOTTOM w0.119: UNK3K11.4 177.54,201.89 178.01,201.42 UNK3R40.1
N26495757: length 3
  BOTTOM w0.119: UNK3R38.1 182.16,187.45 182.63,187.92 UNK3K8.5
N26495759: length 3
  BOTTOM w0.119: UNK3R37.2 182.16,190.59 182.63,190.12 UNK3K8.6
N26495760: length 3
  BOTTOM w0.119: UNK3R41.2 165.4,204.56 165.87,204.09 UNK3K11.6
N26495761: length 3
  BOTTOM w0.119: UNK3R42.1 165.4,201.42 165.87,201.89 UNK3K11.5
N26495803: length 3
  BOTTOM w0.119: UNK3K5.5 199.4,215.35 198.92,214.88 UNK3R26.1
N26495805: length 3
  BOTTOM w0.119: UNK3R23.2 211.54,218.02 211.07,217.55 UNK3K5.3
N26495806: length 3
  BOTTOM w0.119: UNK3R24.1 211.54,214.88 211.07,215.35 UNK3K5.4
N26495807: length 3
  BOTTOM w0.119: UNK3R25.2 198.92,218.02 199.4,217.55 UNK3K5.6
N26495828: length 3
  BOTTOM w0.119: UNK3R18.1 261.62,145.5 262.09,145.03 UNK3K3.5
N26495829: length 3
  BOTTOM w0.119: UNK3R17.2 264.76,145.5 264.29,145.03 UNK3K3.6
N26495830: length 3
  BOTTOM w0.119: UNK3R16.1 261.62,132.88 262.09,133.36 UNK3K3.4
N26495831: length 3
  BOTTOM w0.119: UNK3K3.3 264.29,133.36 264.76,132.88 UNK3R15.2
N26495834: length 3
  BOTTOM w0.119: UNK3K1.5 165.87,174.46 165.4,173.99 UNK3R10.1
N26495835: length 3
  BOTTOM w0.119: UNK3R9.2 165.4,177.13 165.87,176.66 UNK3K1.6
N26495836: length 3
  BOTTOM w0.119: UNK3R8.1 178.01,173.99 177.54,174.46 UNK3K1.4
N26495837: length 3
  BOTTOM w0.119: UNK3K1.3 177.54,176.66 178.01,177.13 UNK3R7.2
N26495839: length 3
  BOTTOM w0.119: UNK3R11.2 251.81,129.84 251.33,130.31 UNK3K2.3
N26495840: length 3
  BOTTOM w0.119: UNK3K2.4 249.13,130.31 248.66,129.84 UNK3R12.1
N26495841: length 3
  BOTTOM w0.119: UNK3K4.5 275.3,157.22 274.82,157.69 UNK3R22.1
N26495843: length 3
  BOTTOM w0.119: UNK3K4.3 277.5,145.55 277.97,145.08 UNK3R19.2
N26495844: length 3
  BOTTOM w0.119: UNK3R20.1 274.82,145.08 275.3,145.55 UNK3K4.4
N26495845: length 3
  BOTTOM w0.119: UNK3R21.2 277.97,157.69 277.5,157.22 UNK3K4.6
N26495846: length 3
  BOTTOM w0.119: UNK3R14.1 248.66,142.45 249.13,141.98 UNK3K2.5
N26495847: length 3
  BOTTOM w0.119: UNK3K2.6 251.33,141.98 251.81,142.45 UNK3R13.2
N26496039:
  vias: v1(123.38,197.41)
N26496040:
  vias: v1(127.95,197.41)
N26496047:
  vias: v1(222.38,213.82) v1(222.38,212.66) v1(224.65,211.67)
N26496049:
  vias: v1(222.38,215.98) v1(222.38,214.82) v1(224.65,216.97)
N26496050:
  vias: v1(221.21,216.98) v1(222.38,216.98)
N26496051:
  vias: v1(221.21,211.66) v1(222.38,211.66)
N26496080:
  vias: v1(128.01,182.12)
N26496081:
  vias: v1(128.01,189.74)
N26496142:
  vias: v1(96.53,197.36)
N26496146:
  vias: v1(96.53,189.74)
N26500269:
  vias: v1(88.78,163.72)
N26500273:
  vias: v1(89.02,177.49)
N26500275:
  vias: v1(94.09,177.49)
N26500282:
  vias: v1(102.35,171.81)
N26500316:
  vias: v1(102.45,185.42)
N26500354:
  vias: v1(94.09,163.77)
N26501112:
  vias: v1(111.55,288.29)
N26501118:
  vias: v1(101.81,271.78)
N26501123:
  vias: v1(128.06,271.78)
N26501243:
  vias: v1(75.99,271.78)
N26501249:
  vias: v1(75.99,288.29)
N26501321:
  vias: v1(93.77,271.78)
N26501327:
  vias: v1(93.77,288.29)
N26501460:
  vias: v1(66.25,288.29)
N26501466:
  vias: v1(66.25,271.78)
N26501470:
  vias: v1(84.03,288.29)
N26501472:
  vias: v1(118.32,271.78)
N26501478:
  vias: v1(101.81,288.29)
N26504239: length 3
  BOTTOM w0.119: UNK4R55.2 309.75,156.36 310.22,155.89 UNK4K25.3
N26504240: length 3
  BOTTOM w0.119: UNK4R56.1 312.89,156.36 312.42,155.89 UNK4K25.4
N26504241: length 3
  BOTTOM w0.119: UNK4K25.6 310.22,144.21 309.75,143.74 UNK4R57.2
N26504242: length 3
  BOTTOM w0.119: UNK4K25.5 312.42,144.21 312.89,143.74 UNK4R58.1
N26504244: length 3
  BOTTOM w0.119: UNK4R59.2 356.57,133.44 356.1,132.97 UNK4K26.3
N26504245: length 3
  BOTTOM w0.119: UNK4R60.1 356.57,130.3 356.1,130.77 UNK4K26.4
N26504246: length 3
  BOTTOM w0.119: UNK4R61.2 343.96,133.44 344.43,132.97 UNK4K26.6
N26504247: length 3
  BOTTOM w0.119: UNK4R62.1 343.96,130.3 344.43,130.77 UNK4K26.5
N26504249: length 3
  BOTTOM w0.119: UNK4K27.5 325.92,129.8 326.39,129.33 UNK4R66.1
N26504250: length 3
  BOTTOM w0.119: UNK4K27.6 323.72,129.8 323.25,129.33 UNK4R65.2
N26504257: length 3
  BOTTOM w0.119: UNK4K22.6 389.76,130.05 389.29,129.58 UNK4R45.2
N26504258: length 3
  BOTTOM w0.119: UNK4K22.5 391.96,130.05 392.43,129.58 UNK4R46.1
N26504259: length 3
  BOTTOM w0.119: UNK4R47.2 415.71,142.2 416.18,141.73 UNK4K23.3
N26504260: length 3
  BOTTOM w0.119: UNK4R48.1 418.85,142.2 418.38,141.73 UNK4K23.4
N26504261: length 3
  BOTTOM w0.119: UNK4K23.6 416.18,130.05 415.71,129.58 UNK4R49.2
N26504262: length 3
  BOTTOM w0.119: UNK4K23.5 418.38,130.05 418.85,129.58 UNK4R50.1
N26504264: length 3
  BOTTOM w0.119: UNK4K24.3 402.97,141.73 402.5,142.2 UNK4R51.2
N26504265: length 3
  BOTTOM w0.119: UNK4K24.4 405.17,141.73 405.64,142.2 UNK4R52.1
N26504266: length 3
  BOTTOM w0.119: UNK4R53.2 402.5,129.58 402.97,130.05 UNK4K24.6
N26504267: length 3
  BOTTOM w0.119: UNK4K24.5 405.17,130.05 405.64,129.58 UNK4R54.1
N26504282: length 3
  BOTTOM w0.119: UNK4K22.3 389.76,141.73 389.29,142.2 UNK4R102.2
N26504283: length 3
  BOTTOM w0.119: UNK4K22.4 391.96,141.73 392.43,142.2 UNK4R103.1
N26504284: length 3
  BOTTOM w0.119: UNK4R104.2 323.25,141.94 323.72,141.47 UNK4K27.3
N26504285: length 3
  BOTTOM w0.119: UNK4R105.1 326.39,141.94 325.92,141.47 UNK4K27.4
N26504400:
  vias: v1(465.57,192.28)
N26504405:
  vias: v1(468.62,192.28)
N26504440: length 3
  BOTTOM w0.119: UNK4K17.3 381.63,218.94 381.16,219.41 UNK4R71.2
N26504441: length 3
  BOTTOM w0.119: UNK4K17.4 383.83,218.94 384.31,219.41 UNK4R72.1
N26504442: length 3
  BOTTOM w0.119: UNK4K17.5 383.83,207.27 384.31,206.8 UNK4R74.1
N26504443: length 3
  BOTTOM w0.119: UNK4R73.2 381.16,206.8 381.63,207.27 UNK4K17.6
N26504444: length 3
  BOTTOM w0.119: UNK4R75.2 393.35,157.18 393.83,156.71 UNK4K21.3
N26504445: length 3
  BOTTOM w0.119: UNK4R76.1 396.5,157.18 396.03,156.71 UNK4K21.4
N26504446: length 3
  BOTTOM w0.119: UNK4K21.5 396.03,145.04 396.5,144.57 UNK4R78.1
N26504447: length 3
  BOTTOM w0.119: UNK4R77.2 393.35,144.57 393.83,145.04 UNK4K21.6
N26504448: length 3
  BOTTOM w0.119: UNK4K29.3 407.54,156.71 407.07,157.18 UNK4R79.2
N26504449: length 3
  BOTTOM w0.119: UNK4R80.1 410.21,157.18 409.74,156.71 UNK4K29.4
N26504450: length 3
  BOTTOM w0.119: UNK4K29.6 407.54,145.04 407.07,144.57 UNK4R43.2
N26504451: length 3
  BOTTOM w0.119: UNK4K29.5 409.74,145.04 410.21,144.57 UNK4R44.1
N26504452: length 3
  BOTTOM w0.119: UNK4R63.2 420.53,157.18 421,156.71 UNK4K30.3
N26504453: length 3
  BOTTOM w0.119: UNK4R64.1 423.68,157.18 423.2,156.71 UNK4K30.4
N26504454: length 3
  BOTTOM w0.119: UNK4R101.1 423.68,144.57 423.2,145.04 UNK4K30.5
N26504455: length 3
  BOTTOM w0.119: UNK4K30.6 421,145.04 420.53,144.57 UNK4R100.2
N26504536: length 3
  BOTTOM w0.119: UNK4R67.2 402.55,197.45 402.08,196.98 UNK4K16.3
N26504537: length 3
  BOTTOM w0.119: UNK4R68.1 402.55,194.31 402.08,194.78 UNK4K16.4
N26504538: length 3
  BOTTOM w0.119: UNK4R70.1 389.93,194.31 390.4,194.78 UNK4K16.5
N26504539: length 3
  BOTTOM w0.119: UNK4K16.6 390.4,196.98 389.93,197.45 UNK4R69.2
N26504561: length 3
  BOTTOM w0.119: UNK4K6.5 396.03,178.31 396.5,177.84 UNK4R30.1
N26504563: length 3
  BOTTOM w0.119: UNK4K6.3 393.83,189.99 393.35,190.46 UNK4R27.2
N26504564: length 3
  BOTTOM w0.119: UNK4R28.1 396.5,190.46 396.03,189.99 UNK4K6.4
N26504565: length 3
  BOTTOM w0.119: UNK4R29.2 393.35,177.84 393.83,178.31 UNK4K6.6
N26504566: length 3
  BOTTOM w0.119: UNK4R34.1 413.3,180.84 413.77,181.32 UNK4K7.5
N26504568: length 3
  BOTTOM w0.119: UNK4R31.2 425.92,183.99 425.44,183.52 UNK4K7.3
N26504569: length 3
  BOTTOM w0.119: UNK4R32.1 425.92,180.84 425.44,181.32 UNK4K7.4
N26504570: length 3
  BOTTOM w0.119: UNK4K7.6 413.77,183.52 413.3,183.99 UNK4R33.2
N26504612: length 3
  BOTTOM w0.119: UNK4R39.2 386.04,197.45 385.57,196.98 UNK4K11.3
N26504613: length 3
  BOTTOM w0.119: UNK4R40.1 386.04,194.31 385.57,194.78 UNK4K11.4
N26504614: length 3
  BOTTOM w0.119: UNK4K8.5 409.49,178.31 409.96,177.84 UNK4R38.1
N26504616: length 3
  BOTTOM w0.119: UNK4K8.6 407.29,178.31 406.82,177.84 UNK4R37.2
N26504617: length 3
  BOTTOM w0.119: UNK4R41.2 373.42,197.45 373.89,196.98 UNK4K11.6
N26504618: length 3
  BOTTOM w0.119: UNK4K11.5 373.89,194.78 373.42,194.31 UNK4R42.1
N26504660: length 3
  BOTTOM w0.119: UNK4R26.1 383.29,177.84 382.82,178.31 UNK4K5.5
N26504662: length 3
  BOTTOM w0.119: UNK4R23.2 380.15,190.46 380.62,189.99 UNK4K5.3
N26504663: length 3
  BOTTOM w0.119: UNK4K5.4 382.82,189.99 383.29,190.46 UNK4R24.1
N26504664: length 3
  BOTTOM w0.119: UNK4K5.6 380.62,178.31 380.15,177.84 UNK4R25.2
N26504685: length 3
  BOTTOM w0.119: UNK4K3.5 396.03,161.8 396.5,161.33 UNK4R18.1
N26504686: length 3
  BOTTOM w0.119: UNK4K3.6 393.83,161.8 393.35,161.33 UNK4R17.2
N26504687: length 3
  BOTTOM w0.119: UNK4R16.1 396.5,173.95 396.03,173.48 UNK4K3.4
N26504688: length 3
  BOTTOM w0.119: UNK4R15.2 393.35,173.95 393.83,173.48 UNK4K3.3
N26504691: length 3
  BOTTOM w0.119: UNK4K1.5 422.7,161.8 423.17,161.33 UNK4R10.1
N26504692: length 3
  BOTTOM w0.119: UNK4R9.2 420.02,161.33 420.5,161.8 UNK4K1.6
N26504693: length 3
  BOTTOM w0.119: UNK4K1.4 422.7,173.48 423.17,173.95 UNK4R8.1
N26504694: length 3
  BOTTOM w0.119: UNK4R7.2 420.02,173.95 420.5,173.48 UNK4K1.3
N26504696: length 3
  BOTTOM w0.119: UNK4K2.3 380.62,173.22 380.15,173.69 UNK4R11.2
N26504697: length 3
  BOTTOM w0.119: UNK4K2.4 382.82,173.22 383.29,173.69 UNK4R12.1
N26504698: length 3
  BOTTOM w0.119: UNK4R22.1 409.96,161.33 409.49,161.8 UNK4K4.5
N26504700: length 3
  BOTTOM w0.119: UNK4K4.3 407.29,173.48 406.82,173.95 UNK4R19.2
N26504701: length 3
  BOTTOM w0.119: UNK4K4.4 409.49,173.48 409.96,173.95 UNK4R20.1
N26504702: length 3
  BOTTOM w0.119: UNK4K4.6 407.29,161.8 406.82,161.33 UNK4R21.2
N26504703: length 3
  BOTTOM w0.119: UNK4K2.5 382.82,161.55 383.29,161.08 UNK4R14.1
N26504704: length 3
  BOTTOM w0.119: UNK4K2.6 380.62,161.55 380.15,161.08 UNK4R13.2
N26504896:
  vias: v1(456.25,190.45)
N26504897:
  vias: v1(451.68,190.45)
N26504904:
  vias: v1(302.38,213.82) v1(302.38,212.66) v1(304.65,211.67)
N26504906:
  vias: v1(302.38,215.98) v1(302.38,214.82) v1(304.65,216.97)
N26504907:
  vias: v1(301.21,216.98) v1(302.38,216.98)
N26504908:
  vias: v1(301.21,211.66) v1(302.38,211.66)
N26504937:
  vias: v1(451.62,188.98)
N26505003:
  vias: v1(483.1,197.87)
N26509126:
  vias: v1(491.1,183.24)
N26509130:
  vias: v1(490.86,169.47)
N26509132:
  vias: v1(485.8,169.47)
N26509139:
  vias: v1(477.53,175.15)
N26509173:
  vias: v1(477.43,161.55)
N26509211:
  vias: v1(485.8,183.19)
N26509969:
  vias: v1(511.6,274.32)
N26509975:
  vias: v1(518.37,290.83)
N26509980:
  vias: v1(528.11,274.32)
N26510100:
  vias: v1(478.58,257.81)
N26510106:
  vias: v1(528.11,257.81)
N26510178:
  vias: v1(511.6,257.81)
N26510184:
  vias: v1(495.09,257.81)
N26510317:
  vias: v1(518.37,257.81)
N26510323:
  vias: v1(468.84,257.81)
N26510327:
  vias: v1(485.35,257.81)
N26510329:
  vias: v1(518.37,274.32)
N26510335:
  vias: v1(501.86,274.32)

## Copper pours and planes (outline as drawn; the poured copper is in the pictures)
GND on L03_SIGNAL, L28_SIGNAL, L30_SIGNAL: 1.02,1.27 1.02,427.99 205.54,427.99 216.92,422.32 228.3,427.99 352.84,427.99 364.23,422.27 375.62,427.99 580.13,427.99 580.13,1.27 301.95,1.27 290.57,6.93 279.19,1.27
(no net) on L32_SIGNAL: 1.02,1.27 1.02,427.99 205.54,427.99 216.92,422.32 228.3,427.99 352.84,427.99 364.23,422.27 375.62,427.99 580.13,427.99 580.13,1.27 301.95,1.27 290.57,6.93 279.19,1.27

## Text on the board
User.Comments: CR_SS_6 | CR_2_2 | CR_RELAY_19 | CR_4_2 | CR_3_1 | CR_2_3 | CR_UNNAMED_2 | CR_UNNAMED_3 | CR_QQ_28 | CR_A_23 | CR_5_1 | CR_5_2 | CR_QQ_12 | CR_QQ_11 | CR_A_28 | CR_A_21 | CR_A_25 | CR_A_26 | CR_A_30 | CR_A_32 | CR_A_22 | CR_A_24 | CR_A_27 | CR_A_29 | CR_A_31 | CR_A_20
